# Altium PCB 28pins_Pcb.PcbDoc (part 1 of 2)
Units mm, origin at the board's own origin, x right, y up, seen from the top; angles counter-clockwise.
Board outline 68.58 x 53.34 mm, 2 copper layers (L1, L2), stack 1.671 mm thick; 105 components, 72 nets, 323 pads, 107 vias.
Unrouted connection lines stored in the file: 3.
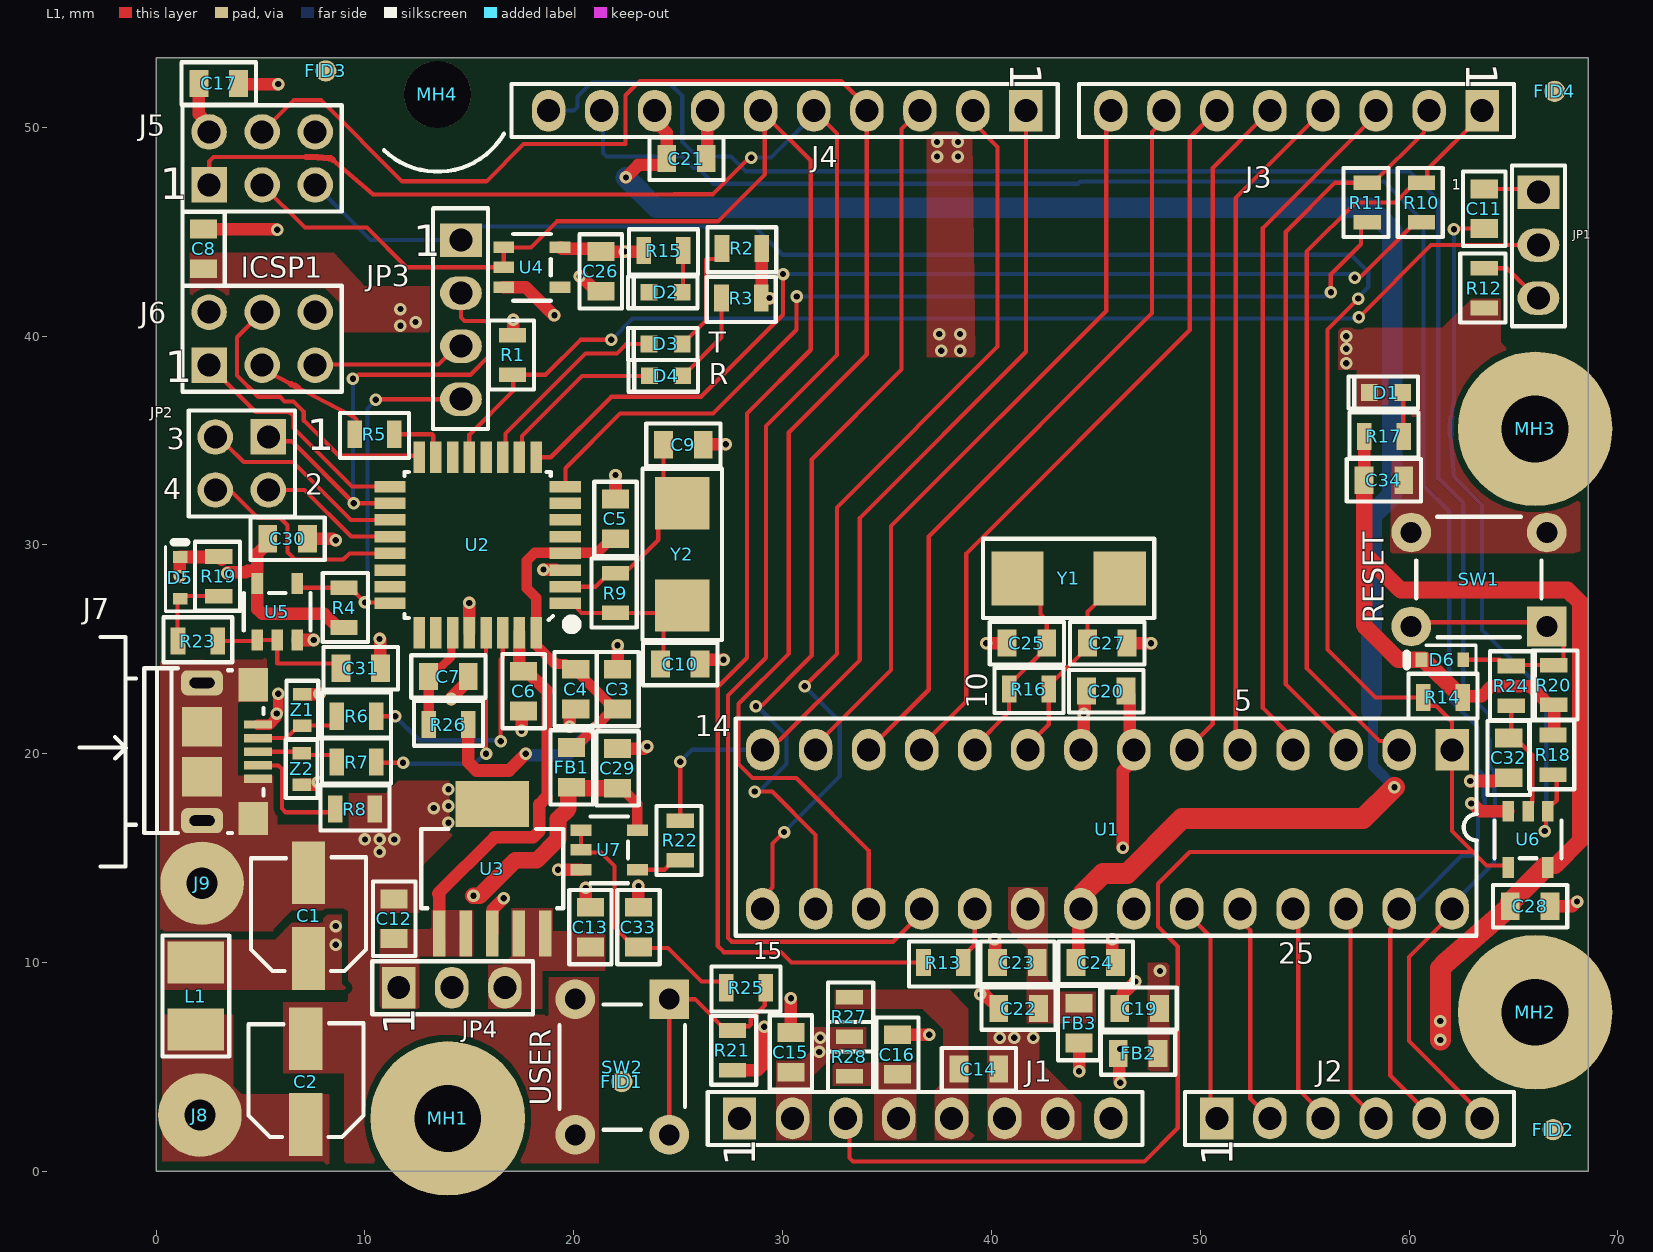
[diagram p0: L1 view]
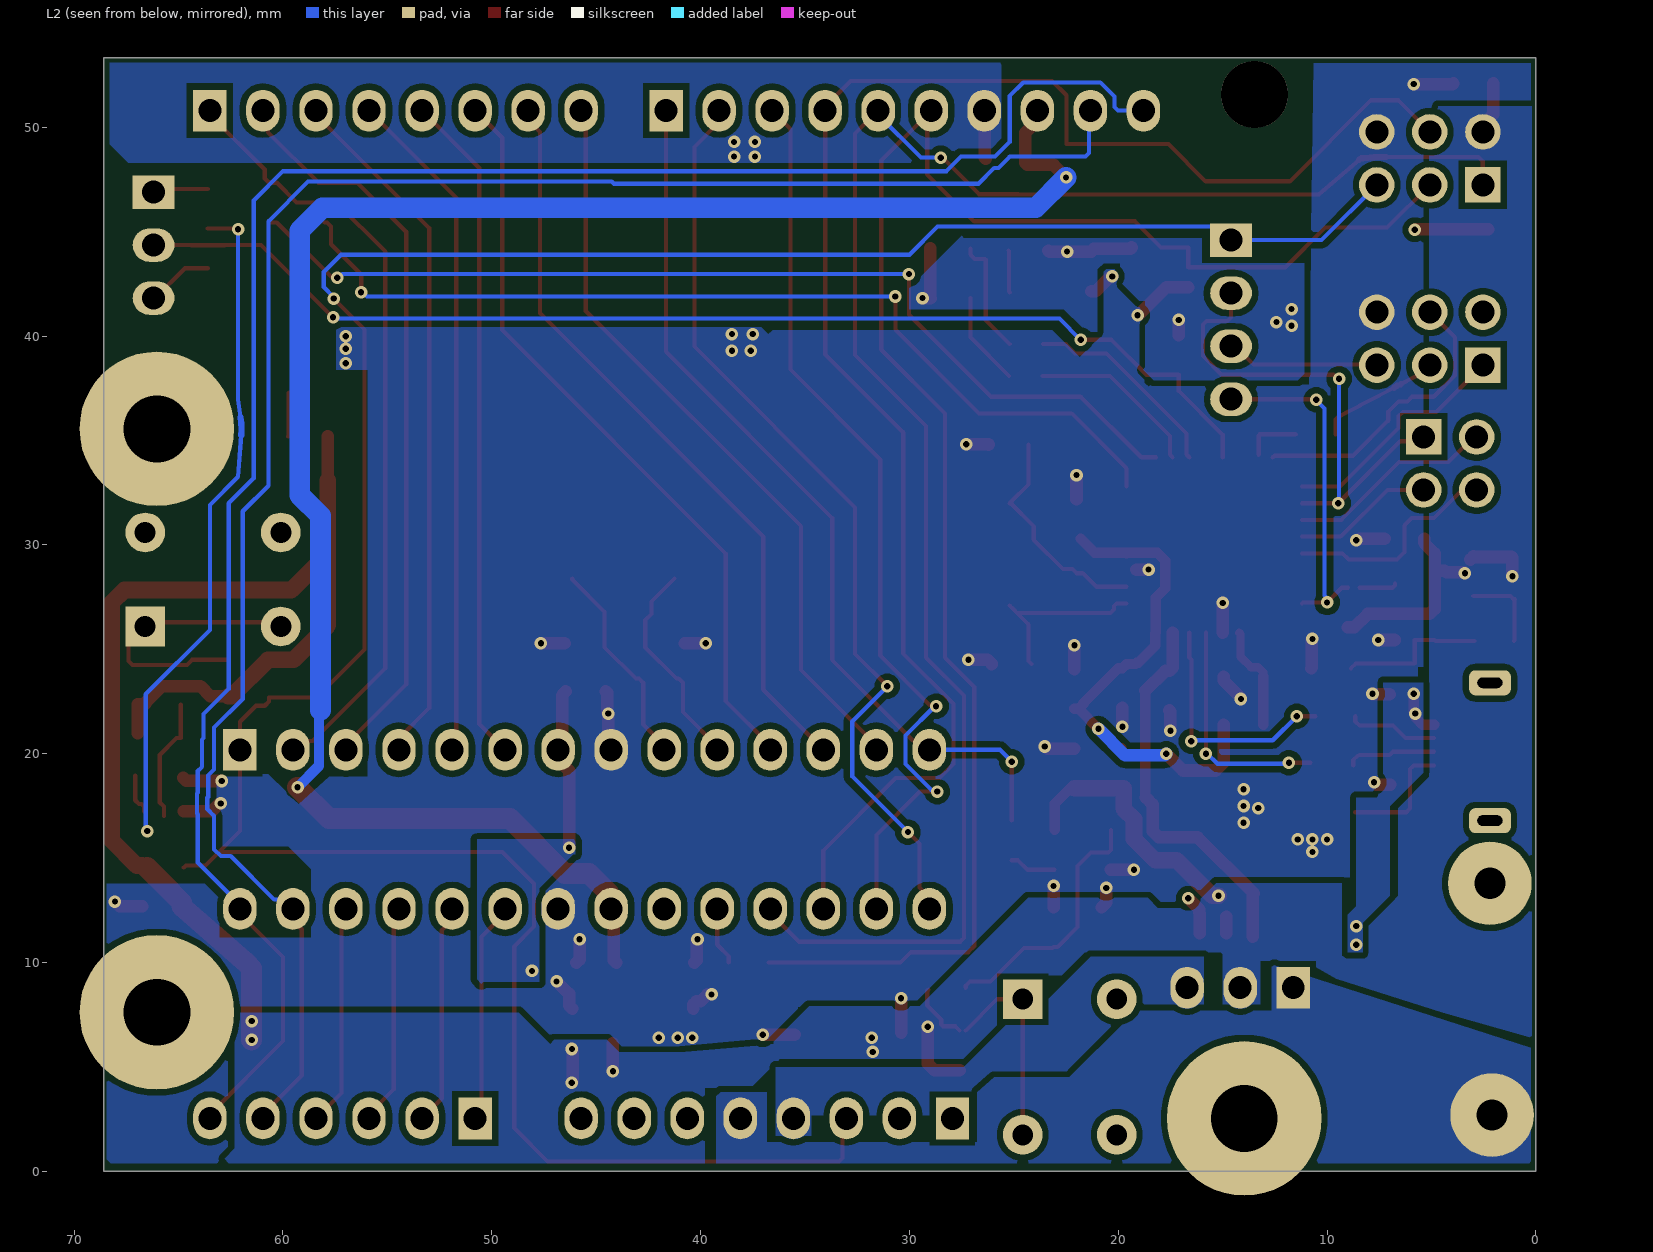
[diagram p1: L2 view, seen from below]

## Layer stack, top to bottom
Top Solder: solder mask 0.0102, Solder Resist, Dk 3.5
L1: signal copper 0.0356
Dielectric 1: dielectric 1.6, FR-4, Dk 4.8
L2: signal copper 0.0356
Bottom Solder: solder mask 0.0102, Solder Resist, Dk 3.5

## Board outline
0,0 68.58,0 68.58,53.34 0,53.34

## Design rules (kind name [scope] priority, off if disabled: settings)
Clearance "Around polygpns" [IsRegion] p1: gap=0.3 ignorepadtopadclearanceinfootprint=FALSE
Clearance [All] p2: gap=0.2 ignorepadtopadclearanceinfootprint=FALSE
ComponentClearance "FID3 to J5" [InComponent('J5') vs InComponent('FID3')] p1: gap=0 collisioncheckmode=3 verticalgap=0 showdistances=FALSE
ComponentClearance "MH4 to J4 and FID3" [InComponent('MH4') vs InComponent('FID3')or InComponent('J4')] p2: gap=0 collisioncheckmode=3 verticalgap=0 showdistances=FALSE
ComponentClearance "Power Resistor" [InComponent('R27') vs InComponent('R28')] p3: gap=0 collisioncheckmode=3 verticalgap=0 showdistances=FALSE
ComponentClearance "SW2 and FID1" [InComponent('SW2') vs InComponent('FID1')] p4: gap=0 collisioncheckmode=3 verticalgap=0 showdistances=FALSE
ComponentClearance "DIP SOCKET to MH2 and U1" [InComponent('SCKT FOR U1') vs InComponent('MH2')or InComponent('U1')] p5: gap=0 collisioncheckmode=3 verticalgap=0 showdistances=FALSE
ComponentClearance "MH2 to J2" [InComponent('MH2') vs InComponent('J2')] p6: gap=0 collisioncheckmode=3 verticalgap=0 showdistances=FALSE
ComponentClearance [All] p7: gap=0.2 collisioncheckmode=3 verticalgap=0.2 showdistances=FALSE
HoleSize [All] p1: absolutevalues=TRUE maxlimit=10 minlimit=0.2 maxpercent=80.000 minpercent=20.000
HoleToHoleClearance [All] p1: gap=0.3 allowstackedmicrovias=TRUE
MinimumSolderMaskSliver [All] p1: minsoldermaskwidth=0.1
PolygonConnect [All] p1: connectstyle=Direct reliefconductorwidth=0.254 reliefentries=4 polygonreliefangle="90 Angle" airgapwidth=0.254
RoutingVias [All] p1: holewidth=0.3 width=0.6 viastyle="Through Hole" minholewidth=0.3 minwidth=0.6 maxholewidth=0.3 maxwidth=0.6
SilkToSilkClearance [All] p1: silktosilkclearance=0.1
SilkToSolderMaskClearance [IsPad] p1: minsilkscreentomaskgap=0.1 clearancetoexposedcopper=TRUE
SolderMaskExpansion [All] p1: expansion=0.1 istentingtop=FALSE
SupplyNets "Schematic Supply Nets_4" [InNet('+AREF')] p1: voltage=0.000
SupplyNets "Schematic Supply Nets_3" [InNet('+3V3')] p2: voltage=0.000
SupplyNets "Schematic Supply Nets_2" [InNet('+5V')] p3: voltage=0.000
SupplyNets "Schematic Supply Nets_1" [InNet('GND')] p4: voltage=0.000
SupplyNets "Schematic Supply Nets" [InNet('+5V/3V3')] p5: voltage=0.000
Width "Width POWERS" [InNet('+*') or InNet('GND')] p1: maxlimit=4 minlimit=0.4 preferedwidth=0.4
Width [All] p2: maxlimit=0.5 minlimit=0.2 preferedwidth=0.3
24 further rules are at their usual default settings.

## Components (designator, comment, footprint, x,y, rotation, side; value= is the part's Value field where it differs from the comment)
C1 "100uF/10V" C_ALUMINIUM_C_SIZE 7.3,12.25 r90 top value=100µF
C2 "100uF/10V" C_ALUMINIUM_C_SIZE 7.175,4.3 r90 top value=100µF
C3 "10uF/16V" C0805 22.1,23.1 r270 top value=10µF
C4 "100nF" C0805 20.1,23.1 r90 top
C5 "100nF" C0805 22,31.25 r270 top
C6 "100nF" C0805 17.6,23 r90 top
C7 "1uf" C0805 14,23.7 r180 top value=1µF
C8 "100nF" C0805 2.275,44.175 r270 top
C9 "18pF" C0805 25.25,34.8 r180 top
C10 "18pF" C0805 25.1,24.3 r180 top
C11 "100nF" C0805 63.6,46.1 r90 top
C12 "10uF/16V" C0805 11.4,12.1 r270 top value=10µF
C13 "10uF/16V" C0805 20.8,11.7 r270 top value=10µF
C14 "100nF" C0805 39.4,4.9 r180 top
C15 "100nF" C0805 30.4,5.7 r270 top
C16 "100nF" C0805 35.5,5.6 r270 top
C17 "100nF" C0805 3,52.1 r180 top
C19 "10uF/16V" C0805 47.1,7.8 r0 top value=10µF
C20 "100nF" C0805 45.5,23 r0 top
C21 "10uF/16V" C0805 25.4,48.5 r180 top value=10µF
C22 "10uF/16V" C0805 41.3,7.8 r0 top value=10µF
C23 "100nF" C0805 41.25,10 r0 top
C24 "100nF" C0805 45,10 r180 top
C25 "18pF" C0805 41.7,25.3 r0 top
C26 "100nF" C0805 21.3,43.1 r90 top
C27 "18pF" C0805 45.55,25.3 r180 top
C28 "100nF" C0805 65.8,12.7 r180 top
C29 "100nF" C0805 22.1,19.3 r270 top
C30 "100nF" C0805 6.3,30.3 r180 top
C31 "100nF" C0805 9.8,24.1 r180 top
C32 "100nF" C0805 64.775,19.8 r90 top
C33 "100nF" C0805 23.1,11.7 r270 top
C34 "100nF" C0805 58.8,33.1 r180 top
D1 "Green" LED_0603 58.9,37.3 r0 top
D2 "Orange" LED_0603 24.4,42.1 r0 top
D3 "Orange" LED_0603 24.4,39.625 r0 top
D4 "Orange" LED_0603 24.425,38.1 r0 top
D5 "BAT54HT1G" SOD323 1.15,28.425 r270 top value=10pF
D6 "BAT54HT1G" SOD323 61.6,24.5 r0 top value=10pF
FB1 "MPZ2012S601AT000" C0805 19.9,19.35 r90 top value=100mΩ
FB2 "MPZ2012S601AT000" C0805 47.025,5.65 r0 top value=100mΩ
FB3 "MPZ2012S601AT000" C0805 44.2,7.1 r90 top value=100mΩ
FID1 "FID_1MMC" FID_40X120D 22.3,4.3 r0 top
FID2 "FID_1MMC" FID_40X120D 66.9,2 r90 top
FID3 "FID_1MMC" FID_40X120D 8.125,52.7 r90 top
FID4 "FID_1MMC" FID_40X120D 66.975,51.725 r90 top
J1 "HDR FEMALE 1x8 2.54mm" HEADER_1X8_2.54MM 27.94,2.54 r90 top locked
J2 "HDR_1x6_2.54mm" HEADER_1X6_2.54MM 50.8,2.54 r90 top locked
J3 "HDR FEMALE 1x8 2.54mm" HEADER_1X8_2.54MM 63.5,50.8 r270 top locked
J4 "M20-7821046" HEADER_1X10_2.54MM 41.656,50.8 r270 top locked
J5 "HDR_2X3" HDR_2X3_2.54MM 2.54,47.244 r90 top locked
J6 "HDR_2X3" HDR_2X3_2.54MM 2.54,38.608 r90 top locked
J7 "10118193-0001LF" 10118193 3.537,20.1 r270 top locked
J8 "4MMx1.5MM" PAD_WITH_HOLE_4MMX1.5MM 2.1,2.7 r0 top
J9 "4MMx1.5MM" PAD_WITH_HOLE_4MMX1.5MM 2.2,13.8 r0 top
JP1 "HDR_1x3" HEADER_1X3_2.54MM 66.2,46.9 r0 top locked
JP2 "HDR_2x2_2.54mm" HDR_2X2_2.54MM 4.105,33.905 r270 top
JP3 "HDR_x4" HEADER_1X4_2.54MM 14.6,44.6 r0 top locked
JP4 "HDR_1x3" HEADER_1X3_2.54MM 11.62,8.8 r90 top locked
L1 "2u2 / 2A" C1210_INDUCTOR 1.9,8.4 r270 top value=2.2µH
MH1 "MH_7.4MMC_3.2MMD" MH_7.4MMC_3.2MMD 13.97,2.54 r0 top locked
MH2 "MH_7.4MMC_3.2MMD" MH_7.4MMC_3.2MMD 66.04,7.62 r0 top locked
MH3 "MH_7.4MMC_3.2MMD" MH_7.4MMC_3.2MMD 66.04,35.56 r0 top locked
MH4 "MH_7.4MMNC_3.2MMD" MH_7.4MMNC_3.2MMD_NON_COPPER_NPTH 13.475,51.575 r0 top
R1 "100k" R0805 17.075,39.1 r90 top value=100kΩ
R2 "560" R0805 28.05,44.2 r180 top value=560Ω
R3 "560" R0805 28.025,41.825 r180 top value=560Ω
R4 "10k" R0805 9,27 r270 top value=10kΩ
R5 "22R" R0805 10.455,35.306 r180 top value=22Ω
R6 "22R" R0805 9.6,21.8 r0 top value=22Ω
R7 "22R" R0805 9.6,19.6 r0 top value=22Ω
R8 "0" R0805 9.525,17.35 r0 top value=0Ω
R9 "1M" R0805 22,27.7 r90 top value=1MΩ
R10 "1k" R0805 60.6,46.4 r90 top value=1kΩ
R11 "1k" R0805 58,46.4 r90 top value=1kΩ
R12 "1k" R0805 63.6,42.3 r90 top value=1kΩ
R13 "22R" R0805 37.7,10 r180 top value=22Ω
R14 "10k" R0805 61.625,22.7 r0 top value=10kΩ
R15 "560" R0805 24.3,44.1 r180 top value=560Ω
R16 "1M" R0805 41.8,23.1 r180 top value=1MΩ
R17 "560" R0805 58.8,35.2 r0 top value=560Ω
R18 "10k" R0805 66.9,19.95 r90 top value=10kΩ
R19 "10k" R0805 3,28.5 r90 top value=10kΩ
R20 "10k" R0805 66.929,23.292 r270 top value=10kΩ
R21 "10k" R0805 27.6,5.8 r270 top value=10kΩ
R22 "560" R0805 25.1,15.85 r90 top value=560Ω
R23 "22R" R0805 2,25.4 r0 top value=22Ω
R24 "22R" R0805 64.897,23.256 r270 top value=22Ω
R25 "22R" R0805 28.25,8.8 r180 top value=22Ω
R26 "0" R0805 14,21.4 r0 top value=0Ω
R27 "0" R0805 33.2,7.4 r270 top value=0Ω
R28 "0" R0805 33.2,5.5 r270 top value=0Ω
SW1 "1825910-6" 1825910-6 63.35,28.35 r270 top
SW2 "1825910-6" 1825910-6 22.325,5 r0 top
U1 "ATMEGA328P-PU" 28_DIP_7.62MM 62.065,20.193 r270 top locked
U2 "ATMEGA16U2-AU" TQFP32 15.4,30 r180 top locked
U3 "TL1963A-33DCQR" DCQ(R-PDSO-G6) 16.1,14.5 r90 top
U4 "SN74AHC1G09DBVR" DBV_SOT_23_5 18,43.3 r0 top
U5 "SN74AHC1G09DBVR" DBV_SOT_23_5 5.8,26.8 r90 top
U6 "SN74AHC1G09DBVR" DBV_SOT_23_5 65.7,15.9 r270 top
U7 "SN74AHC1G09DBVR" DBV_SOT_23_5 21.7,15.4 r0 top
Y1 "ABM7-16.000MHZ-D2Y-T" ABM7_V1_1_BIG 43.7,28.4 r180 top
Y2 "ABM7-16.000MHZ-D2Y-T" ABM7_V1_1_BIG 25.2,29.55 r90 top
Z1 "CG0603MLC-05E" R0603 7,22.1 r270 top value=500fF
Z2 "CG0603MLC-05E" R0603 6.975,19.275 r90 top value=500fF

## Footprints (in the part's own frame and the unit in brackets; to place one, negate y for a bottom-side part, rotate by r counter-clockwise, add the part's x,y. Pads: shape width x height; smd on the part's side, far side on the other; paste and mask are expansions set on the pad)
28_DIP_7.62MM [mm]
  rect 2x1.6 hole 1.1: 1(0,0)
  oval 2x1.6 hole 1.1: 2(0,-2.54) 3(0,-5.08) 4(0,-7.62) 5(0,-10.16) 6(0,-12.7) 7(0,-15.24) 8(0,-17.78) 9(0,-20.32) 10(0,-22.86) 11(0,-25.4) 12(0,-27.94) 13(0,-30.48) 14(0,-33.02) 15(7.62,-33.02) 16(7.62,-30.48) 17(7.62,-27.94) 18(7.62,-25.4) 19(7.62,-22.86) 20(7.62,-20.32) 21(7.62,-17.78) 22(7.62,-15.24) 23(7.62,-12.7) 24(7.62,-10.16) 25(7.62,-7.62) 26(7.62,-5.08) 27(7.62,-2.54) 28(7.62,0)
  silkscreen extent -1.49,-34.31 8.91,1.19, body extent 0.04,-34.61 7.91,1.39, height 5.08
1825910-6 [mm]
  rect 1.9x1.9 hole 1: 1(2.25,3.25)
  round 1.9 hole 1: 2(2.25,-3.25) 3(-2.25,3.25) 4(-2.25,-3.25)
  silkscreen extent -3,-3 2.77,3, body extent -3,-3.9 3,3.9, height 5.02
10118193 [mm]
  rect 0.4x1.35 smd mask+0.05: 1(-1.3,1.338) 2(-0.65,1.338) 3(0,1.338) 4(0.65,1.338) 5(1.3,1.338)
  rect 1.6x1.4 smd: 6(-3.2,1.112) 7(3.2,1.112)
  rrect50% 1.2x2 hole 0.5 slot 1.2 at 90 deg mask+0.05: 8(-3.3,-1.338) 9(3.3,-1.338)
  rect 1.9x1.9 smd: 10(-1.2,-1.338) 11(1.2,-1.338)
  silkscreen extent -5.5,-7.2 5.5,1.6, body extent -3.93,-4.06 3.93,1.65, height 2.71
ABM7_V1_1_BIG [mm]
  rect 2.5x2.6 smd: 1(-2.45,0) 2(2.45,0)
  silkscreen extent -4.1,-1.9 4.1,1.9, body extent -3.11,-2 3.11,1.8, height 1.36
C0805 [mm]
  rect 0.9x1.3 smd: 1(-0.95,0) 2(0.95,0)
  silkscreen extent -1.78,-1.02 1.78,1.02, body extent -1,-0.51 1,0.43, height 1.71
C1210_INDUCTOR [mm]
  rect 2x2.7 smd: 1(-1.6,0) 2(1.6,0)
  silkscreen extent -2.9,-1.6 2.9,1.6, body extent -1.68,-1.3 1.66,1.3, height 2.7
C_ALUMINIUM_C_SIZE [mm]
  rect 3x1.6 smd: 1(-2.05,0) 2(2.05,0)
  silkscreen extent -2.65,-2.75 2.8,2.75, body extent -2.9,-2.67 3,2.63, height 5.42
DBV_SOT_23_5 [mm]
  rect 1x0.55 smd: 1(-1.35,0.95) 2(-1.35,0) 3(-1.35,-0.95) 4(1.35,-0.95) 5(1.35,0.95)
  silkscreen extent -0.9,-1.6 0.9,1.6, body extent -1.61,-1.5 1.41,1.5, height 1.45
DCQ(R-PDSO-G6) [mm]
  rect 2.2x0.6 smd: 1(-3.1,2.54) 2(-3.1,1.27) 3(-3.1,0) 4(-3.1,-1.27) 5(-3.1,-2.54)
  rect 2.2x3.5 smd: 6(3.1,0)
  silkscreen extent -1.9,-3.4 1.9,3.4, body extent -3.73,-3.27 3.53,3.27, height 1.71
FID_40X120D [mil]
  round 40 smd paste-40 mask+40: 1(0,0)
HDR_2X2_2.54MM [mm]
  rect 1.7x1.7 hole 1.1: 1(-1.27,1.27)
  round 1.7 hole 1.1: 2(1.27,1.27) 3(-1.27,-1.27) 4(1.27,-1.27)
  silkscreen extent -2.54,-2.54 2.54,2.54, body extent -2.54,-2.41 2.54,2.41, height 10.43
HDR_2X3_2.54MM [mm]
  rect 1.7x1.7 hole 1.1: 1(0,0)
  round 1.7 hole 1.1: 2(2.54,0) 3(0,-2.54) 4(2.54,-2.54) 5(0,-5.08) 6(2.54,-5.08)
  silkscreen extent -1.27,-6.35 3.81,1.27, body extent -1.22,-6.35 3.81,1.27, height 9.03
HEADER_1X3_2.54MM [mm]
  rect 2x1.6 hole 1.1: 1(0,0)
  oval 2x1.6 hole 1.1: 2(0,-2.54) 3(0,-5.08)
  silkscreen extent -1.27,-6.43 1.27,1.27, body extent -1.17,-6.35 1.24,1.27, height 8.19
HEADER_1X4_2.54MM [mm]
  rect 2x1.6 hole 1.1: 1(0,0)
  oval 2x1.6 hole 1.1: 2(0,-2.54) 3(0,-5.08) 4(0,-7.62)
  silkscreen extent -1.35,-9.04 1.3,1.52, body extent -1.28,-8.84 1.13,1.32, height 8.2
HEADER_1X6_2.54MM [mm]
  rect 2x1.6 hole 1.1: 1(0,0)
  oval 2x1.6 hole 1.1: 2(0,-2.54) 3(0,-5.08) 4(0,-7.62) 5(0,-10.16) 6(0,-12.7)
  silkscreen extent -1.27,-14.22 1.27,1.52, body extent -1.25,-14.17 1.25,1.47, height 8.31
HEADER_1X8_2.54MM [mm]
  rect 2x1.6 hole 1.1: 1(0,0)
  oval 2x1.6 hole 1.1: 2(0,-2.54) 3(0,-5.08) 4(0,-7.62) 5(0,-10.16) 6(0,-12.7) 7(0,-15.24) 8(0,-17.78)
  silkscreen extent -1.27,-19.3 1.27,1.52, body extent -1.23,-19.2 1.27,1.52, height 8.31
HEADER_1X10_2.54MM [mm]
  rect 2x1.6 hole 1.1: 1(0,0)
  oval 2x1.6 hole 1.1: 2(0,-2.54) 3(0,-5.08) 4(0,-7.62) 5(0,-10.16) 6(0,-12.7) 7(0,-15.24) 8(0,-17.78) 9(0,-20.32) 10(0,-22.86)
  silkscreen extent -1.27,-24.64 1.27,1.52, body extent -1.25,-24.33 1.25,1.47, height 8.31
LED_0603 [mm]
  rect 0.8x0.8 smd: 1(-0.8,0) 2(0.8,0)
  silkscreen extent -1.8,-0.76 1.52,0.76, body extent -0.85,-0.36 0.8,0.37, height 0.69
MH_7.4MMC_3.2MMD [mm]
  round 7.4 hole 3.2: 1(0,0)
MH_7.4MMNC_3.2MMD_NON_COPPER_NPTH [mm]
  round 3.2 hole 3.2 unplated: 1(0,0)
  silkscreen extent -2.56,-3.7 3.19,-1.88
PAD_WITH_HOLE_4MMX1.5MM [mm]
  round 4 hole 1.5: 1(0,0)
R0603 [mm]
  rect 0.6x0.9 smd: 1(-0.75,0) 2(0.75,0)
  silkscreen extent -1.4,-0.76 1.4,0.76, body extent -0.8,-0.38 0.8,0.42, height 0.55
R0805 [mm]
  rect 0.7x1.3 smd: 1(-0.95,0) 2(0.95,0)
  silkscreen extent -1.65,-1.02 1.65,1.14, body extent -1,-0.6 1,0.6, height 0.61
SOD323 [mil]
  rect 22x27 smd: 1(-39.37,0) 2(39.37,0)
  silkscreen extent -67,-28 63,28, body extent -49,-24 49,26, height 35
TQFP32 [mm]
  rect 1.5x0.55 smd mask+0.06: 1(-4.2,2.8) 2(-4.2,2) 3(-4.2,1.2) 4(-4.2,0.4) 5(-4.2,-0.4) 6(-4.2,-1.2) 7(-4.2,-2) 8(-4.2,-2.8) 17(4.2,-2.8) 18(4.2,-2) 19(4.2,-1.2) 20(4.2,-0.4) 21(4.2,0.4) 22(4.2,1.2) 23(4.2,2) 24(4.2,2.8)
  rect 0.55x1.5 smd mask+0.06: 9(-2.8,-4.2) 10(-2,-4.2) 11(-1.2,-4.2) 12(-0.4,-4.2) 13(0.4,-4.2) 14(1.2,-4.2) 15(2,-4.2) 16(2.8,-4.2) 25(2.8,4.2) 26(2,4.2) 27(1.2,4.2) 28(0.4,4.2) 29(-0.4,4.2) 30(-1.2,4.2) 31(-2,4.2) 32(-2.8,4.2)
  silkscreen extent -4.72,-3.5 3.5,4.02, body extent -4.6,-4.6 4.6,4.6, height 1.2

## Part data
C1 C2: library part EEF-CX1A101R, "Cap Aluminum Polymer 100uF 10VDC 20% (7.3 X 4.3 X 1.9mm) SMD 0.04 Ohm 3200mA 2000h 105C T/R", Case Code (Imperial)=2917, Case Code (Metric)=7343, Dielectric Material=Aluminium, ESR (Equivalent Series Resistance)=40mΩ, Leakage Current=300µA, Manufacturer=Panasonic, Max Operating Temperature=105°C, Min Operating Temperature=-40°C, Ripple Current=3A, Tolerance=20%, Voltage=10V, Case/Package=2917, Category="Polymer Capacitors", ComponentLink1Description=https://datasheet.octopart.com:443/EEF-CX1A101R-Panasonic-datasheet-21211655.pdf?src-supplier=Farnell, ComponentLink1URL=https://datasheet.octopart.com:443/EEF-CX1A101R-Panasonic-datasheet-21211655.pdf?src-supplier=Farnell, ComponentLink2Description=https://datasheet.octopart.com:443/EEF-CX1A101R-Panasonic-datasheet-61627644.pdf?src-supplier=Newark, ComponentLink2URL=https://datasheet.octopart.com:443/EEF-CX1A101R-Panasonic-datasheet-61627644.pdf?src-supplier=Newark, ComponentLink3Description=https://datasheet.octopart.com:443/EEF-CX1A101R-Panasonic-datasheet-154766134.pdf?src-supplier=Master+Electronics, ComponentLink3URL=https://datasheet.octopart.com:443/EEF-CX1A101R-Panasonic-datasheet-154766134.pdf?src-supplier=Master+Electronics, Contact Plating=Tin, Depth=4.3mm, Height=1.9mm, Height - Seated (Max)=2.1082mm, Lead Free="Lead Free", Length=7.3mm, Life (Hours)=1000hours, Manufacturer Part Number=EEF-CX1A101R, Mounting Technology="PCB, Surface Mount", Packaging="Cut Tape", Pricing="3500=0.51793, 7000=0.51529, 14000=0.51265, 28000=0.51, 56000=0.50736 (USD)", REACH SVHC=Unknown, RoHS=Compliant, Schedule B=8532290040, Stock=7000, Supplier=Avnet, Supplier Part Number=EEF-CX1A101R, Termination=SMD/SMT, Voltage Rating=10V, Voltage Rating (DC)=10V, Weight=130.010913mg, Width=4.2926mm
C3 C12 C13 C19 C21 C22: library part C2012X5R1C106K085AC, "16V 10uF X5R 卤10% 0805 Multilayer Ceramic Capacitors MLCC - SMD/SMT ROHS", Case Code (Imperial)=0805, Case Code (Metric)=2012, Dielectric=X5R, Dielectric Material=Ceramic, Manufacturer=TDK, Manufacturer Lifecycle Status="PRODUCTION (NOT RECOMMENDED FOR NEW DESIGN)", Max Operating Temperature=85°C, Min Operating Temperature=-55°C, Tolerance=10%, Voltage Rating=16V, Case/Package=0805, Category="Ceramic Capacitors", China RoHS=Compliant, ComponentLink1Description=https://datasheet.octopart.com:443/C2012X5R1C106K085AC-TDK-datasheet-175423548.pdf?src-supplier=IHS, ComponentLink1URL=https://datasheet.octopart.com:443/C2012X5R1C106K085AC-TDK-datasheet-175423548.pdf?src-supplier=IHS, ComponentLink2Description=https://datasheet.octopart.com:443/C2012X5R1C106K085AC-TDK-datasheet-151546523.pdf?src-supplier=ODG+(Origin+Data+Global), ComponentLink2URL=https://datasheet.octopart.com:443/C2012X5R1C106K085AC-TDK-datasheet-151546523.pdf?src-supplier=ODG+(Origin+Data+Global), ComponentLink3Description=https://datasheet.octopart.com/C2012X5R1C106K085AC-TDK-datasheet-41194876.pdf, ComponentLink3URL=https://datasheet.octopart.com/C2012X5R1C106K085AC-TDK-datasheet-41194876.pdf, ComponentLink4Description=https://datasheet.octopart.com:443/C2012X5R1C106K085AC-TDK-datasheet-82475248.pdf?src-supplier=Newark, ComponentLink4URL=https://datasheet.octopart.com:443/C2012X5R1C106K085AC-TDK-datasheet-82475248.pdf?src-supplier=Newark, ComponentLink5Description=https://datasheet.octopart.com:443/C2012X5R1C106K085AC-TDK-datasheet-23766614.pdf?src-supplier=Newark, ComponentLink5URL=https://datasheet.octopart.com:443/C2012X5R1C106K085AC-TDK-datasheet-23766614.pdf?src-supplier=Newark, ComponentLink6Description=https://datasheet.octopart.com:443/C2012X5R1C106K085AC-TDK-datasheet-20681607.pdf?src-supplier=Newark, ComponentLink6URL=https://datasheet.octopart.com:443/C2012X5R1C106K085AC-TDK-datasheet-20681607.pdf?src-supplier=Newark, ComponentLink7Description=https://datasheet.octopart.com:443/C2012X5R1C106K085AC-TDK-datasheet-13444418.pdf?src-supplier=Newark, ComponentLink7URL=https://datasheet.octopart.com:443/C2012X5R1C106K085AC-TDK-datasheet-13444418.pdf?src-supplier=Newark, ComponentLink8Description=https://datasheet.octopart.com:443/C2012X5R1C106K085AC-TDK-datasheet-12509848.pdf?src-supplier=Future+Electronics, ComponentLink8URL=https://datasheet.octopart.com:443/C2012X5R1C106K085AC-TDK-datasheet-12509848.pdf?src-supplier=Future+Electronics, ComponentLink9Description=https://datasheet.octopart.com:443/C2012X5R1C106K085AC-TDK-datasheet-10978788.pdf?src-supplier=Future+Electronics, ComponentLink9URL=https://datasheet.octopart.com:443/C2012X5R1C106K085AC-TDK-datasheet-10978788.pdf?src-supplier=Future+Electronics, ComponentLink10Description=https://datasheet.octopart.com:443/C2012X5R1C106K085AC-TDK-datasheet-8852320.pdf?src-supplier=Future+Electronics, ComponentLink10URL=https://datasheet.octopart.com:443/C2012X5R1C106K085AC-TDK-datasheet-8852320.pdf?src-supplier=Future+Electronics, ComponentLink11Description=https://datasheet.octopart.com:443/C2012X5R1C106K085AC-TDK-datasheet-8359770.pdf?src-supplier=Future+Electronics, ComponentLink11URL=https://datasheet.octopart.com:443/C2012X5R1C106K085AC-TDK-datasheet-8359770.pdf?src-supplier=Future+Electronics, ComponentLink12Description=https://datasheet.octopart.com:443/C2012X5R1C106K085AC-TDK-datasheet-8324322.pdf?src-supplier=Future+Electronics, ComponentLink12URL=https://datasheet.octopart.com:443/C2012X5R1C106K085AC-TDK-datasheet-8324322.pdf?src-supplier=Future+Electronics, ComponentLink13Description=https://datasheet.octopart.com:443/C2012X5R1C106K085AC-TDK-datasheet-128946.pdf?src-supplier=Future+Electronics, ComponentLink13URL=https://datasheet.octopart.com:443/C2012X5R1C106K085AC-TDK-datasheet-128946.pdf?src-supplier=Future+Electronics, Composition=Ceramic, Depth=1.25mm, Export Control Classification Number (ECCN) Code=EAR99, Harmonized Tariff Schedule (HTS) Code=8532.24.00.20, Height=850µm, Introduction Date=2012-08-21, Lead Free="Lead Free", Length=2mm, Lifecycle Status=NRND, Manufacturer Part Number=C2012X5R1C106K085AC, Material=Ceramic, Max Length=2.2mm, Max Width=1.45mm, Min Length=1.8mm, Min Width=1.05mm, Mounting Technology="Surface Mount", Number of Terminals=2, Pins=2, Pricing="4000=0.0349, 8000=0.0344, 16000=0.0338, 20000=0.0336, 60000=0.0326 (USD)", REACH SVHC=Yes, RoHS=Compliant, Schedule B="8532240020, 8532240020|8532240020|8532240020|8532240020|8532240020", Stock=8000, Supplier="Future Electronics", Supplier Part Number=C2012X5R1C106K085AC, Termination=SMD/SMT, Voltage Rating (DC)=16V, Weight=5.499807mg, Width=1.25mm
C4 C5 C6 C8 C11 C14 C15 C16 C17 C20 C23 C24 C26 C28 C29 C30 C31 C32 C33 C34: library part C2012X7R1H104K085AA, "Ceramic capacitor, 100 nF, 50 V (DC), ±10 %, SMD 0805 (2012), X7R, C2012X7R1H104K085AA", Case Code (Imperial)=0805, Case Code (Metric)=2012, Dielectric=X7R, Dielectric Material=Ceramic, Manufacturer=TDK, Manufacturer Lifecycle Status="PRODUCTION (NOT RECOMMENDED FOR NEW DESIGN)", Max Operating Temperature=125°C, Min Operating Temperature=-55°C, Tolerance=10%, Voltage=50V, Case/Package=0805, Category="Ceramic Capacitors", China RoHS=Compliant, ComponentLink1Description=https://datasheet.octopart.com:443/C2012X7R1H104K085AA-TDK-datasheet-175423548.pdf?src-supplier=IHS, ComponentLink1URL=https://datasheet.octopart.com:443/C2012X7R1H104K085AA-TDK-datasheet-175423548.pdf?src-supplier=IHS, ComponentLink2Description=https://datasheet.octopart.com:443/C2012X7R1H104K085AA-TDK-datasheet-151546523.pdf?src-supplier=ODG+(Origin+Data+Global), ComponentLink2URL=https://datasheet.octopart.com:443/C2012X7R1H104K085AA-TDK-datasheet-151546523.pdf?src-supplier=ODG+(Origin+Data+Global), ComponentLink3Description=https://datasheet.octopart.com:443/C2012X7R1H104K085AA-TDK-datasheet-41194876.pdf?src-supplier=element14+APAC, ComponentLink3URL=https://datasheet.octopart.com:443/C2012X7R1H104K085AA-TDK-datasheet-41194876.pdf?src-supplier=element14+APAC, ComponentLink4Description=https://datasheet.octopart.com:443/C2012X7R1H104K085AA-TDK-datasheet-10978788.pdf?src-supplier=element14+APAC, ComponentLink4URL=https://datasheet.octopart.com:443/C2012X7R1H104K085AA-TDK-datasheet-10978788.pdf?src-supplier=element14+APAC, ComponentLink5Description=https://datasheet.octopart.com:443/C2012X7R1H104K085AA-TDK-datasheet-13376850.pdf?src-supplier=element14+APAC, ComponentLink5URL=https://datasheet.octopart.com:443/C2012X7R1H104K085AA-TDK-datasheet-13376850.pdf?src-supplier=element14+APAC, ComponentLink6Description=https://datasheet.octopart.com:443/C2012X7R1H104K085AA-TDK-datasheet-41169347.pdf?src-supplier=element14+APAC, ComponentLink6URL=https://datasheet.octopart.com:443/C2012X7R1H104K085AA-TDK-datasheet-41169347.pdf?src-supplier=element14+APAC, ComponentLink7Description=https://datasheet.octopart.com:443/C2012X7R1H104K085AA-TDK-datasheet-82475248.pdf?src-supplier=Newark, ComponentLink7URL=https://datasheet.octopart.com:443/C2012X7R1H104K085AA-TDK-datasheet-82475248.pdf?src-supplier=Newark, ComponentLink8Description=https://datasheet.octopart.com:443/C2012X7R1H104K085AA-TDK-datasheet-13444418.pdf?src-supplier=Newark, ComponentLink8URL=https://datasheet.octopart.com:443/C2012X7R1H104K085AA-TDK-datasheet-13444418.pdf?src-supplier=Newark, ComponentLink9Description=https://datasheet.octopart.com:443/C2012X7R1H104K085AA-TDK-datasheet-23766614.pdf?src-supplier=Newark, ComponentLink9URL=https://datasheet.octopart.com:443/C2012X7R1H104K085AA-TDK-datasheet-23766614.pdf?src-supplier=Newark, ComponentLink10Description=https://datasheet.octopart.com:443/C2012X7R1H104K085AA-TDK-datasheet-12509848.pdf?src-supplier=Future+Electronics, ComponentLink10URL=https://datasheet.octopart.com:443/C2012X7R1H104K085AA-TDK-datasheet-12509848.pdf?src-supplier=Future+Electronics, ComponentLink11Description=https://datasheet.octopart.com:443/C2012X7R1H104K085AA-TDK-datasheet-8852320.pdf?src-supplier=Future+Electronics, ComponentLink11URL=https://datasheet.octopart.com:443/C2012X7R1H104K085AA-TDK-datasheet-8852320.pdf?src-supplier=Future+Electronics, ComponentLink12Description=https://datasheet.octopart.com:443/C2012X7R1H104K085AA-TDK-datasheet-8359770.pdf?src-supplier=Future+Electronics, ComponentLink12URL=https://datasheet.octopart.com:443/C2012X7R1H104K085AA-TDK-datasheet-8359770.pdf?src-supplier=Future+Electronics, ComponentLink13Description=https://datasheet.octopart.com:443/C2012X7R1H104K085AA-TDK-datasheet-8324322.pdf?src-supplier=Future+Electronics, ComponentLink13URL=https://datasheet.octopart.com:443/C2012X7R1H104K085AA-TDK-datasheet-8324322.pdf?src-supplier=Future+Electronics, ComponentLink14Description=https://datasheet.octopart.com:443/C2012X7R1H104K085AA-TDK-datasheet-128946.pdf?src-supplier=Future+Electronics, ComponentLink14URL=https://datasheet.octopart.com:443/C2012X7R1H104K085AA-TDK-datasheet-128946.pdf?src-supplier=Future+Electronics, ComponentLink15Description=https://datasheet.octopart.com:443/C2012X7R1H104K085AA-TDK-datasheet-11730548.pdf?src-supplier=Electro+Sonic, ComponentLink15URL=https://datasheet.octopart.com:443/C2012X7R1H104K085AA-TDK-datasheet-11730548.pdf?src-supplier=Electro+Sonic, Composition=Ceramic, Depth=1.25mm, Export Control Classification Number (ECCN) Code=EAR99, Harmonized Tariff Schedule (HTS) Code=8532.24.00.20, Height=850µm, Introduction Date=2012-08-21, Lead Free="Lead Free", Length=2mm, Lifecycle Status=NRND, Manufacturer Part Number=C2012X7R1H104K085AA, Material=Ceramic, Max Length=2.2mm, Max Width=1.45mm, Min Length=1.8mm, Min Width=1.05mm, Mounting Technology="Surface Mount", Number of Terminals=2, Pins=2, Pricing="1=0.0166 (USD)", Radiation Hardening=No, REACH SVHC=Yes, RoHS=Compliant, Schedule B="8532240020, 8532240020|8532240020|8532240020|8532240020|8532240020", Stock=24, Supplier="Arrow Electronics", Supplier Part Number=C2012X7R1H104K085AA, Termination=SMD/SMT, Voltage Rating=50V, Voltage Rating (DC)=50V, Weight=5.499807mg, Width=1.25mm
C7: library part C2012X5R1E105M125AA, "25V 1uF X5R 卤20% 0805 Multilayer Ceramic Capacitors MLCC - SMD/SMT ROHS", Case Code (Imperial)=0805, Case Code (Metric)=2012, Dielectric=X5R, Dielectric Material=Ceramic, Manufacturer=TDK, Manufacturer Lifecycle Status="PRODUCTION (NOT RECOMMENDED FOR NEW DESIGN)", Manufacturer Package Identifier="0805 (2012 metric)", Max Operating Temperature=85°C, Min Operating Temperature=-55°C, Supplier Part Number=445-7626-1-ND, Tolerance=20%, Voltage Rating=25V, Case/Package=0805, Category="Ceramic Capacitors", China RoHS=Compliant, ComponentLink1Description=https://datasheet.octopart.com:443/C2012X5R1E105M125AA-TDK-datasheet-175423548.pdf?src-supplier=IHS, ComponentLink1URL=https://datasheet.octopart.com:443/C2012X5R1E105M125AA-TDK-datasheet-175423548.pdf?src-supplier=IHS, ComponentLink2Description=https://datasheet.octopart.com:443/C2012X5R1E105M125AA-TDK-datasheet-151546523.pdf?src-supplier=TDK, ComponentLink2URL=https://datasheet.octopart.com:443/C2012X5R1E105M125AA-TDK-datasheet-151546523.pdf?src-supplier=TDK, ComponentLink3Description=https://datasheet.octopart.com/C2012X5R1E105M125AA-TDK-datasheet-41194876.pdf, ComponentLink3URL=https://datasheet.octopart.com/C2012X5R1E105M125AA-TDK-datasheet-41194876.pdf, Composition=Ceramic, Depth=1.25mm, Export Control Classification Number (ECCN) Code=EAR99, Harmonized Tariff Schedule (HTS) Code=8532.24.00.20, Height=1.25mm, Introduction Date=2012-08-21, Lead Free="Lead Free", Length=2mm, Lifecycle Status=NRND, Manufacturer Part Number=C2012X5R1E105M125AA, Material=Ceramic, Max Length=2.2mm, Max Width=1.45mm, Min Length=1.8mm, Min Width=1.05mm, Mounting Technology="Surface Mount", Number of Terminals=2, Packaging=Digi-Reel®, Pins=2, Pricing="1=0.16, 10=0.091, 50=0.16, 100=0.057, 500=0.04332, 1000=0.03912 (EUR)", REACH SVHC=Yes, RoHS=Compliant, Schedule B="8532240020, 8532240020|8532240020|8532240020|8532240020|8532240020", Stock=5107, Supplier=DigiKey, Termination=SMD/SMT, Voltage Rating (DC)=25V, Weight=5.499807mg, Width=1.25mm
C9 C10 C25 C27: library part C0805C180G5GACTU, "Multilayer Ceramic Capacitors MLCC - SMD/SMT 50V 18pF C0G 0805 2%", Case Code (Imperial)=0805, Case Code (Metric)=2012, Dielectric=C0G, Dielectric Material=Ceramic, Manufacturer="Yageo Group", Max Operating Temperature=125°C, Min Operating Temperature=-55°C, Temperature Coefficient=30ppm/°C, Tolerance=2%, Voltage Rating=50V, Case/Package=0805, Category="Ceramic Capacitors", China RoHS=Compliant, ComponentLink1Description=https://datasheet.octopart.com:443/C0805C180G5GACTU-KEMET-datasheet-178132257.pdf?src-supplier=IHS, ComponentLink1URL=https://datasheet.octopart.com:443/C0805C180G5GACTU-KEMET-datasheet-178132257.pdf?src-supplier=IHS, ComponentLink2Description=https://datasheet.octopart.com:443/C0805C180G5GACTU-KEMET-datasheet-68331921.pdf?src-supplier=Upverter, ComponentLink2URL=https://datasheet.octopart.com:443/C0805C180G5GACTU-KEMET-datasheet-68331921.pdf?src-supplier=Upverter, ComponentLink3Description=https://datasheet.octopart.com:443/C0805C180G5GACTU-KEMET-datasheet-178088138.pdf?src-supplier=element14+APAC, ComponentLink3URL=https://datasheet.octopart.com:443/C0805C180G5GACTU-KEMET-datasheet-178088138.pdf?src-supplier=element14+APAC, ComponentLink4Description=https://datasheet.octopart.com:443/C0805C180G5GACTU-KEMET-datasheet-37178240.pdf?src-supplier=Electro+Sonic, ComponentLink4URL=https://datasheet.octopart.com:443/C0805C180G5GACTU-KEMET-datasheet-37178240.pdf?src-supplier=Electro+Sonic, ComponentLink5Description=https://datasheet.octopart.com/C0805C180G5GACTU-KEMET-datasheet-84169754.pdf, ComponentLink5URL=https://datasheet.octopart.com/C0805C180G5GACTU-KEMET-datasheet-84169754.pdf, Dissipation Factor=0.5%, Height=780µm, Lead Free="Lead Free", Lead Pitch=750µm, Length=2mm, Lifecycle Status=Production, Manufacturer Part Number=C0805C180G5GACTU, Material=Ceramic, Mounting Technology="Surface Mount", Number of Terminals=2, Pricing="10=0.179, 100=0.161, 500=0.131, 1000=0.121, 2000=0.113, 4000=0.105 (EUR)", REACH SVHC=Yes, RoHS=Compliant, Stock=3990, Supplier=Farnell, Supplier Part Number=C0805C180G5GACTU, Termination=SMD/SMT, Thickness=889µm, Voltage Rating (DC)=50V, Width=1.25mm
D1: library part "LG L29K-F2J1-24-0-2-R18-Z", "LED Uni-Color Green 572nm Automotive 2-Pin Chip 0603(1608Metric) T/R", Manufacturer=ams-OSRAM, Supplier Part Number=475-LGL29K-F2J1-24-0-2-R18-ZTR-ND, Category=LEDs, Manufacturer Part Number="LG L29K-F2J1-24-0-2-R18-Z", Pricing="5000=0.06704, 10000=0.063, 15000=0.06704, 25000=0.05858, 35000=0.05719, 50000=0.05583 (EUR)", Stock=53110, Supplier=DigiKey
D2 D3 D4: library part "LO L29K-H2K1-24-0-2-R18-Z", "LED Uni-Color Orange 610nm Automotive 2-Pin Chip 0603(1608Metric) T/R", Manufacturer=Osram, Supplier Part Number=475-LOL29K-H2K1-24-ZCT-ND, Category=LEDs, Manufacturer Part Number="LO L29K-H2K1-24-0-2-R18-Z", Pricing="1=0.27, 10=0.183, 100=0.27, 500=0.10464, 1000=0.09652, 2000=0.08961 (EUR)", Schedule B=8541402000|8541402000|8541402000|8541402000|8541402000, Stock=19169, Supplier=DigiKey